# KiCad board IOT-Mess-Sens-Panelized.kicad_pcb (continued)
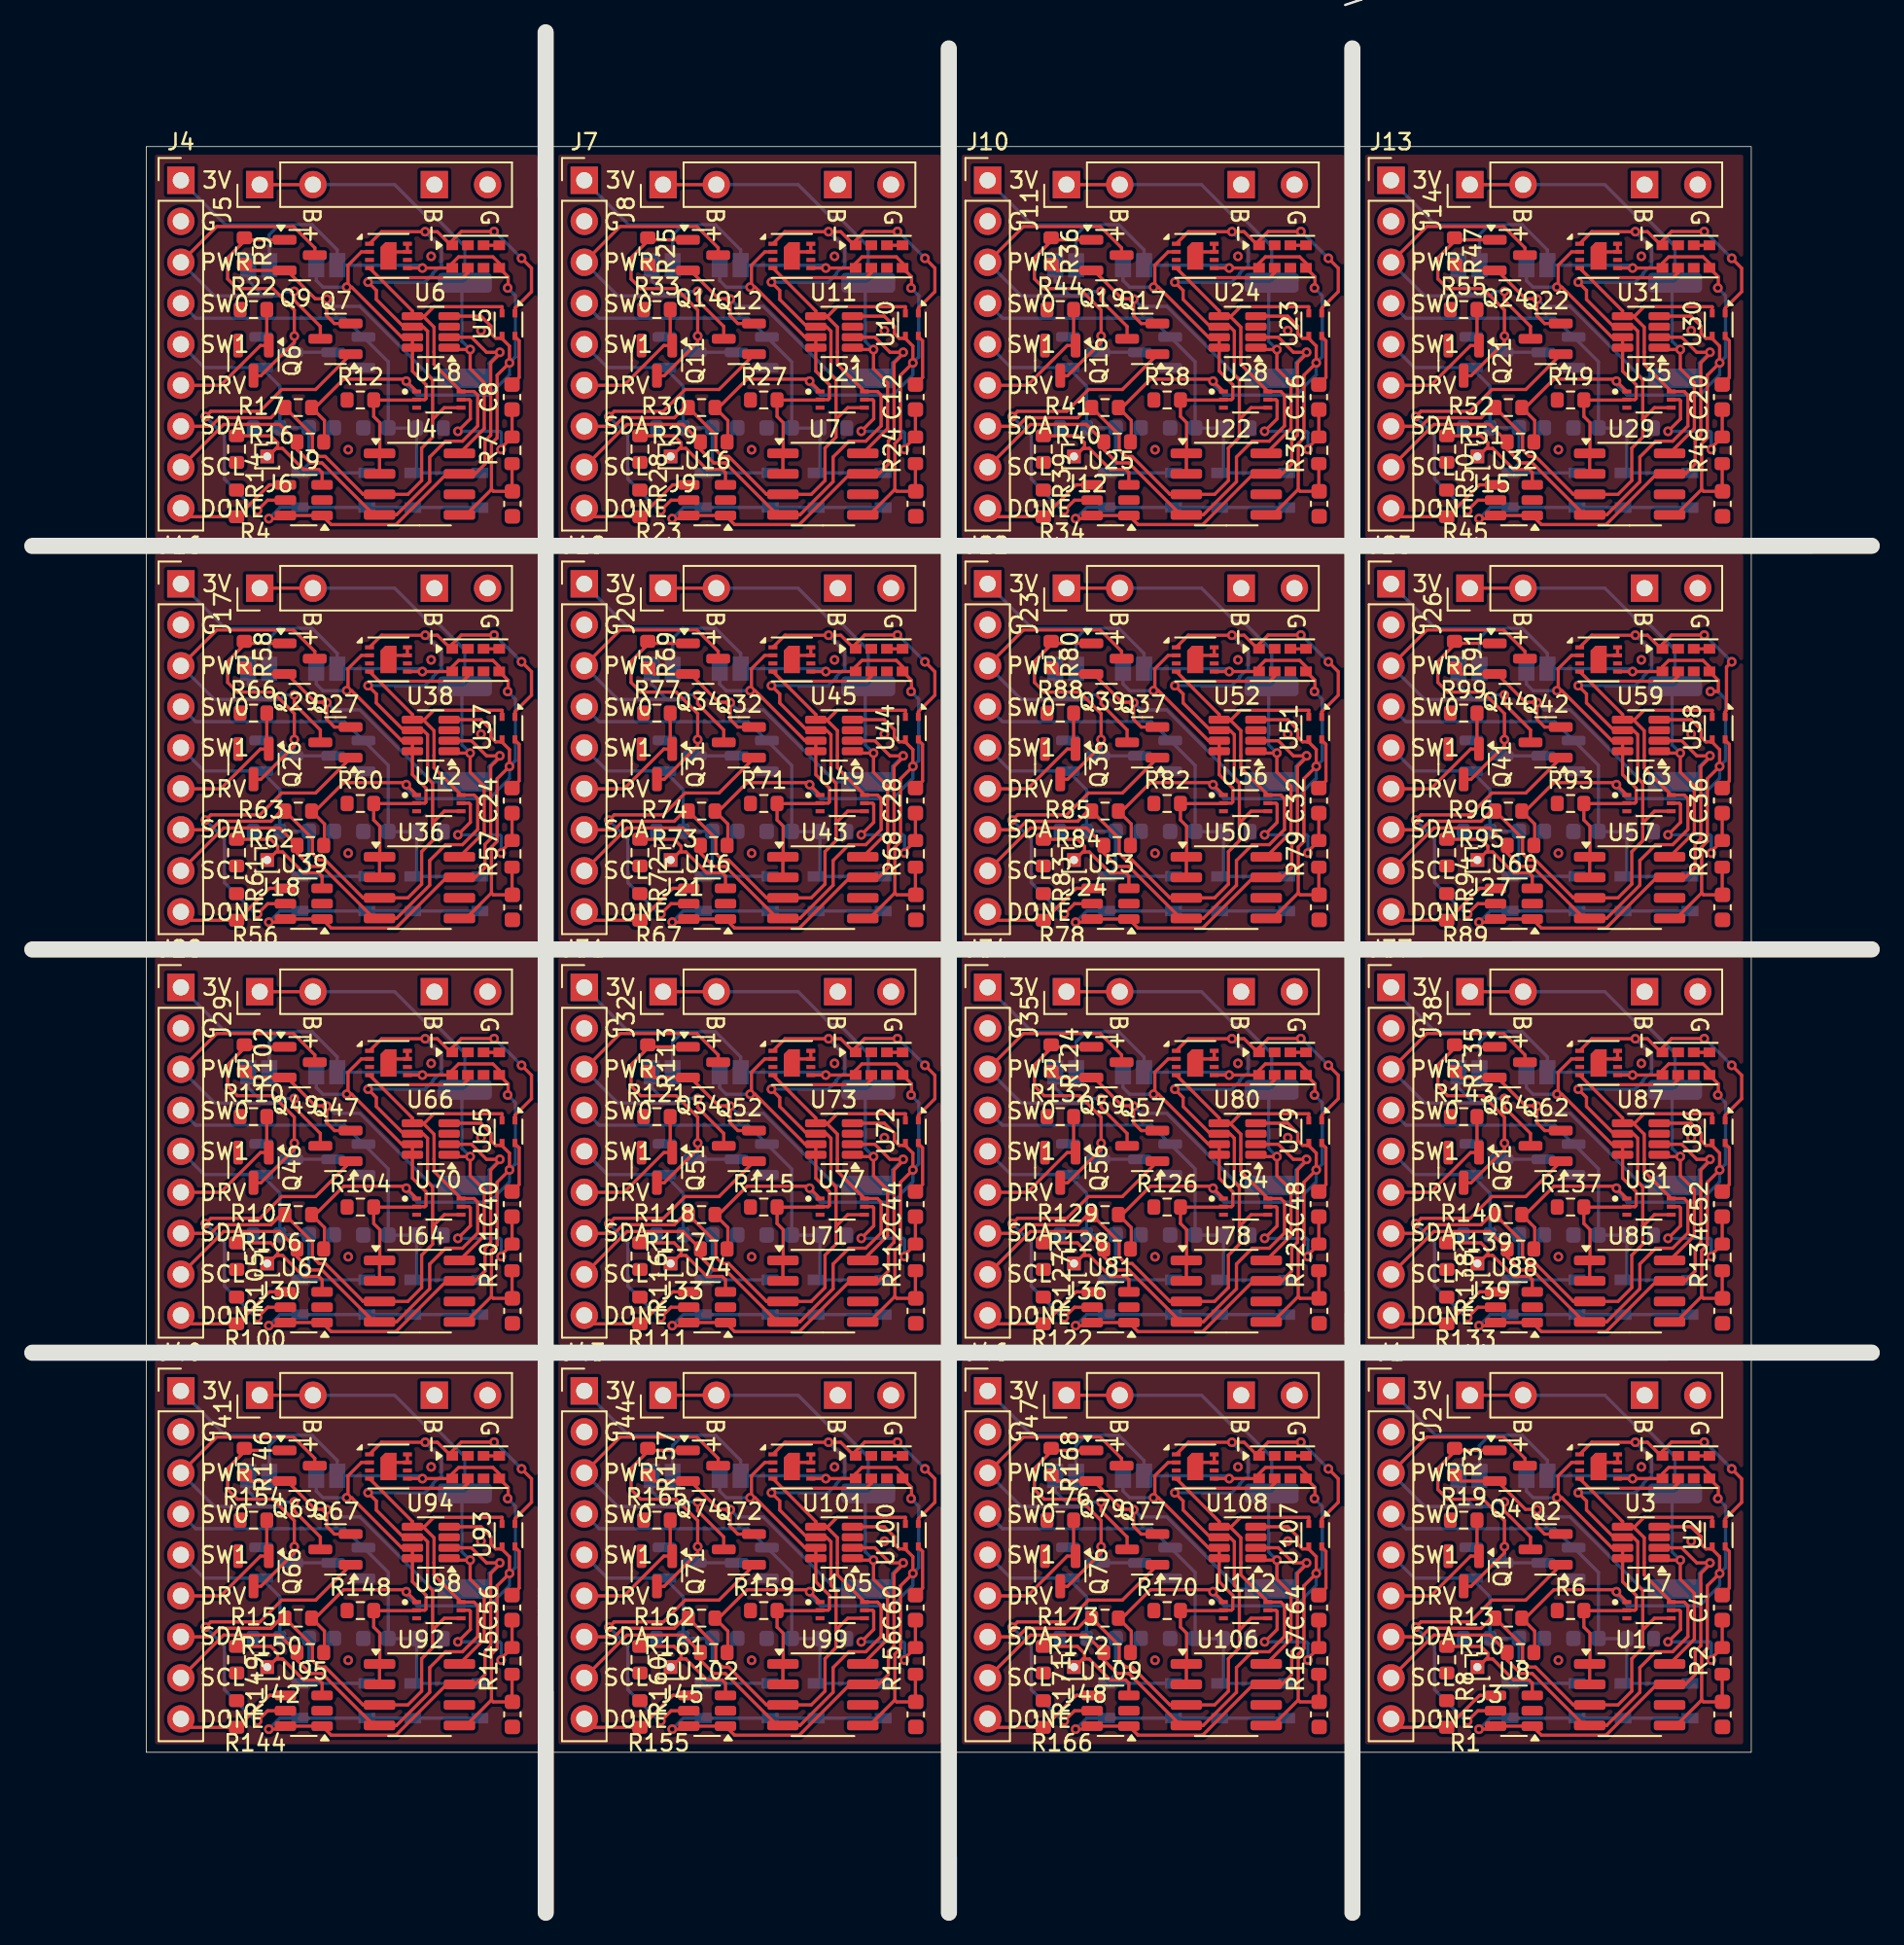
[diagram p0: board, top side]
## Routing (per net, layer and track width the routed paths; a pad name or vN(x,y) marks a point on that pad's centre or on a via; arc(x,y) is an arc through that point) (continued)
Net-(Q2-G): length 316.9
  Top w0.2: v1(60.74,67.69) 61.07,68.02 64.11,68.02 65.46,69.37 67.56,69.37 69.73,71.54 Q37.1 ; v1(60.74,17.69) 61.07,18.02 64.11,18.02 65.46,19.37 67.56,19.37 69.73,21.54 Q77.1 ; v1(85.74,67.69) 86.07,68.02 89.11,68.02 90.46,69.37 92.56,69.37 94.73,71.54 Q42.1 ; Q47.1 19.73,46.54 17.56,44.37 15.46,44.37 14.11,43.02 11.07,43.02 v1(10.74,42.69) ; v1(60.74,92.69) 61.07,93.02 64.11,93.02 65.46,94.37 67.56,94.37 69.73,96.54 Q17.1 ; Q7.1 19.73,96.54 17.56,94.37 15.46,94.37 14.11,93.02 11.07,93.02 v1(10.74,92.69) ; v1(63.96,86.88) 64.59,87.51 U25.5 ; v1(63.96,36.88) 64.59,37.51 U81.5 ; v1(10.74,17.69) 11.07,18.02 14.11,18.02 15.46,19.37 17.56,19.37 19.73,21.54 Q67.1 ; v1(35.74,17.69) 36.07,18.02 39.11,18.02 40.46,19.37 42.56,19.37 44.73,21.54 Q72.1 ; v1(85.74,92.69) 86.07,93.02 89.11,93.02 90.46,94.37 92.56,94.37 94.73,96.54 Q22.1 ; v1(35.74,42.69) 36.07,43.02 39.11,43.02 40.46,44.37 42.56,44.37 44.73,46.54 Q52.1 ; U32.5 89.59,87.51 v1(88.96,86.88) ; U8.5 89.59,12.51 v1(88.96,11.88) ; v1(85.74,17.69) 86.07,18.02 89.11,18.02 90.46,19.37 92.56,19.37 94.73,21.54 Q2.1 ; v1(10.74,67.69) 11.07,68.02 14.11,68.02 15.46,69.37 17.56,69.37 19.73,71.54 Q27.1 ; v1(63.96,61.88) 64.59,62.51 U53.5 ; v1(88.96,61.88) 89.59,62.51 U60.5 ; U16.5 39.59,87.51 v1(38.96,86.88) ; U46.5 39.59,62.51 v1(38.96,61.88) ; v1(60.74,42.69) 61.07,43.02 64.11,43.02 65.46,44.37 67.56,44.37 69.73,46.54 Q57.1 ; U88.5 89.59,37.51 v1(88.96,36.88) ; U109.5 64.59,12.51 v1(63.96,11.88) ; v1(35.74,67.69) 36.07,68.02 39.11,68.02 40.46,69.37 42.56,69.37 44.73,71.54 Q32.1 ; v1(13.96,11.88) 14.59,12.51 U95.5 ; v1(13.96,86.88) 14.59,87.51 U9.5 ; v1(85.74,42.69) 86.07,43.02 89.11,43.02 90.46,44.37 92.56,44.37 94.73,46.54 Q62.1 ; v1(38.96,36.88) 39.59,37.51 U74.5 ; Q12.1 44.73,96.54 42.56,94.37 40.46,94.37 39.11,93.02 36.07,93.02 v1(35.74,92.69) ; v1(13.96,36.88) 14.59,37.51 U67.5 ; v1(38.96,11.88) 39.59,12.51 U102.5 ; v1(13.96,61.88) 14.59,62.51 U39.5
  Bottom w0.2: v1(88.96,11.88) 88.85,11.88 86.91,13.82 86.91,16.52 v1(85.74,17.69) ; v1(60.74,92.69) 61.91,91.52 61.91,88.82 63.85,86.88 v1(63.96,86.88) ; v1(60.74,17.69) 61.91,16.52 61.91,13.82 63.85,11.88 v1(63.96,11.88) ; v1(60.74,67.69) 61.91,66.52 61.91,63.82 63.85,61.88 v1(63.96,61.88) ; v1(10.74,17.69) 11.91,16.52 11.91,13.82 13.85,11.88 v1(13.96,11.88) ; v1(38.96,86.88) 38.85,86.88 36.91,88.82 36.91,91.52 v1(35.74,92.69) ; v1(35.74,42.69) 36.91,41.52 36.91,38.82 38.85,36.88 v1(38.96,36.88) ; v1(13.96,61.88) 13.85,61.88 11.91,63.82 11.91,66.52 v1(10.74,67.69) ; v1(35.74,67.69) 36.91,66.52 36.91,63.82 38.85,61.88 v1(38.96,61.88) ; v1(38.96,11.88) 38.85,11.88 36.91,13.82 36.91,16.52 v1(35.74,17.69) ; v1(85.74,42.69) 86.91,41.52 86.91,38.82 88.85,36.88 v1(88.96,36.88) ; v1(10.74,92.69) 11.91,91.52 11.91,88.82 13.85,86.88 v1(13.96,86.88) ; v1(63.96,36.88) 63.85,36.88 61.91,38.82 61.91,41.52 v1(60.74,42.69) ; v1(85.74,67.69) 86.91,66.52 86.91,63.82 88.85,61.88 v1(88.96,61.88) ; v1(88.96,86.88) 88.85,86.88 86.91,88.82 86.91,91.52 v1(85.74,92.69) ; v1(13.96,36.88) 13.85,36.88 11.91,38.82 11.91,41.52 v1(10.74,42.69)
Net-(U12-LDR): length 15.5
  Top w0.2: U33.4 U33.3 ; U61.4 U61.3 ; U68.4 U68.3 ; U54.4 U54.3 ; U110.4 U110.3 ; U26.4 U26.3 ; U19.4 U19.3 ; U12.4 U12.3 ; U47.4 U47.3 ; U14.4 U14.3 ; U82.4 U82.3 ; U40.4 U40.3 ; U96.4 U96.3 ; U103.4 U103.3 ; U75.4 U75.3 ; U89.4 U89.3
Net-(U17-DVI): length 149.2
  Top w0.2: C32.1 R79.2 79.06,65.75 v1(79.06,65.65) ; v1(79.06,90.65) 79.06,90.75 R35.2 C16.1 ; v1(76.38,66.78) 77.15,67.55 77.15,68.67 77.07,68.74 U56.5 ; C44.1 R112.2 54.06,40.75 v1(54.06,40.65) ; U35.5 102.07,93.74 102.15,93.67 102.15,92.55 v1(101.38,91.78) ; C24.1 R57.2 29.06,65.75 v1(29.06,65.65) ; v1(76.38,16.78) 77.15,17.55 77.15,18.67 77.07,18.74 U112.5 ; v1(54.06,15.65) 54.06,15.75 R156.2 C60.1 ; v1(29.06,15.65) 29.06,15.75 R145.2 C56.1 ; U84.5 77.07,43.74 77.15,43.67 77.15,42.55 v1(76.38,41.78) ; C52.1 R134.2 104.06,40.75 v1(104.06,40.65) ; v1(26.38,91.78) 27.15,92.55 27.15,93.67 27.07,93.74 U18.5 ; v1(51.38,41.78) 52.15,42.55 52.15,43.67 52.07,43.74 U77.5 ; v1(104.06,65.65) 104.06,65.75 R90.2 C36.1 ; v1(54.06,90.65) 54.06,90.75 R24.2 C12.1 ; C40.1 R101.2 29.06,40.75 v1(29.06,40.65) ; C4.1 R2.2 104.06,15.75 v1(104.06,15.65) ; U49.5 52.07,68.74 52.15,68.67 52.15,67.55 v1(51.38,66.78) ; v1(51.38,16.78) 52.15,17.55 52.15,18.67 52.07,18.74 U105.5 ; U28.5 77.07,93.74 77.15,93.67 77.15,92.55 v1(76.38,91.78) ; U42.5 27.07,68.74 27.15,68.67 27.15,67.55 v1(26.38,66.78) ; v1(79.06,40.65) 79.06,40.75 R123.2 C48.1 ; v1(51.38,91.78) 52.15,92.55 52.15,93.67 52.07,93.74 U21.5 ; v1(29.06,90.65) 29.06,90.75 R7.2 C8.1 ; C28.1 R68.2 54.06,65.75 v1(54.06,65.65) ; C20.1 R46.2 104.06,90.75 v1(104.06,90.65) ; U91.5 102.07,43.74 102.15,43.67 102.15,42.55 v1(101.38,41.78) ; U70.5 27.07,43.74 27.15,43.67 27.15,42.55 v1(26.38,41.78) ; v1(26.38,16.78) 27.15,17.55 27.15,18.67 27.07,18.74 U98.5 ; v1(101.38,66.78) 102.15,67.55 102.15,68.67 102.07,68.74 U63.5 ; v1(79.06,15.65) 79.06,15.75 R167.2 C64.1 ; v1(101.38,16.78) 102.15,17.55 102.15,18.67 102.07,18.74 U17.5
  Bottom w0.2: v1(76.38,91.78) 78.97,91.78 79.06,91.69 v1(79.06,90.65) ; v1(79.06,40.65) 79.06,41.69 78.97,41.78 v1(76.38,41.78) ; v1(79.06,65.65) 79.06,66.69 78.97,66.78 v1(76.38,66.78) ; v1(101.38,41.78) 103.97,41.78 104.06,41.69 v1(104.06,40.65) ; v1(101.38,66.78) 103.97,66.78 104.06,66.69 v1(104.06,65.65) ; v1(101.38,16.78) 103.97,16.78 104.06,16.69 v1(104.06,15.65) ; v1(79.06,15.65) 79.06,16.69 78.97,16.78 v1(76.38,16.78) ; v1(26.38,16.78) 28.97,16.78 29.06,16.69 v1(29.06,15.65) ; v1(51.38,66.78) 53.97,66.78 54.06,66.69 v1(54.06,65.65) ; v1(26.38,66.78) 28.97,66.78 29.06,66.69 v1(29.06,65.65) ; v1(54.06,15.65) 54.06,16.69 53.97,16.78 v1(51.38,16.78) ; v1(29.06,90.65) 29.06,91.69 28.97,91.78 v1(26.38,91.78) ; v1(51.38,41.78) 53.97,41.78 54.06,41.69 v1(54.06,40.65) ; v1(101.38,91.78) 103.97,91.78 104.06,91.69 v1(104.06,90.65) ; v1(54.06,90.65) 54.06,91.69 53.97,91.78 v1(51.38,91.78) ; v1(26.38,41.78) 28.97,41.78 29.06,41.69 v1(29.06,40.65)

## Copper pours and planes (outline as drawn; the poured copper is in the pictures)
(no net) on Top, Bottom: 82.45,84.39 106.53,84.4 106.54,59.97 82.61,59.96 82.6,84.44 82.49,84.41
(no net) on Top, Bottom: 57.45,34.39 81.53,34.4 81.54,9.97 57.61,9.96 57.6,34.44 57.49,34.41
(no net) on Top, Bottom: 82.45,34.39 106.53,34.4 106.54,9.97 82.61,9.96 82.6,34.44 82.49,34.41
(no net) on Top, Bottom: 7.45,84.39 31.53,84.4 31.54,59.97 7.61,59.96 7.6,84.44 7.49,84.41
(no net) on Top, Bottom: 57.45,109.39 81.53,109.4 81.54,84.97 57.61,84.96 57.6,109.44 57.49,109.41
(no net) on Top, Bottom: 32.45,84.39 56.53,84.4 56.54,59.97 32.61,59.96 32.6,84.44 32.49,84.41
(no net) on Top, Bottom: 32.45,59.39 56.53,59.4 56.54,34.97 32.61,34.96 32.6,59.44 32.49,59.41
(no net) on Top, Bottom: 82.45,109.39 106.53,109.4 106.54,84.97 82.61,84.96 82.6,109.44 82.49,109.41
(no net) on Top, Bottom: 57.45,84.39 81.53,84.4 81.54,59.97 57.61,59.96 57.6,84.44 57.49,84.41
(no net) on Top, Bottom: 57.45,59.39 81.53,59.4 81.54,34.97 57.61,34.96 57.6,59.44 57.49,59.41
(no net) on Top, Bottom: 7.45,109.39 31.53,109.4 31.54,84.97 7.61,84.96 7.6,109.44 7.49,109.41
(no net) on Top, Bottom: 32.45,109.39 56.53,109.4 56.54,84.97 32.61,84.96 32.6,109.44 32.49,109.41
(no net) on Top, Bottom: 7.45,34.39 31.53,34.4 31.54,9.97 7.61,9.96 7.6,34.44 7.49,34.41
(no net) on Top, Bottom: 82.45,59.39 106.53,59.4 106.54,34.97 82.61,34.96 82.6,59.44 82.49,59.41
(no net) on Top, Bottom: 32.45,34.39 56.53,34.4 56.54,9.97 32.61,9.96 32.6,34.44 32.49,34.41
(no net) on Top, Bottom: 7.45,59.39 31.53,59.4 31.54,34.97 7.61,34.96 7.6,59.44 7.49,59.41

## Text on the board
B.Silkscreen: G | PWR | SW0 | SW1 | DRV | DONE | SDA | SCL | 3V | B+ | B- | IOT-Mess SENS V1.0 / 7/5/25
Edge.Cuts: V-CUT
F.Silkscreen: SCL | SDA | PWR | G | SW0 | SW1 | DRV | DONE | 3V | B+ | B-
